# Allegro board EVK1_BM92T30-HOST-EVK-101_BRD_REV03_2016-02-26.brd (continued)
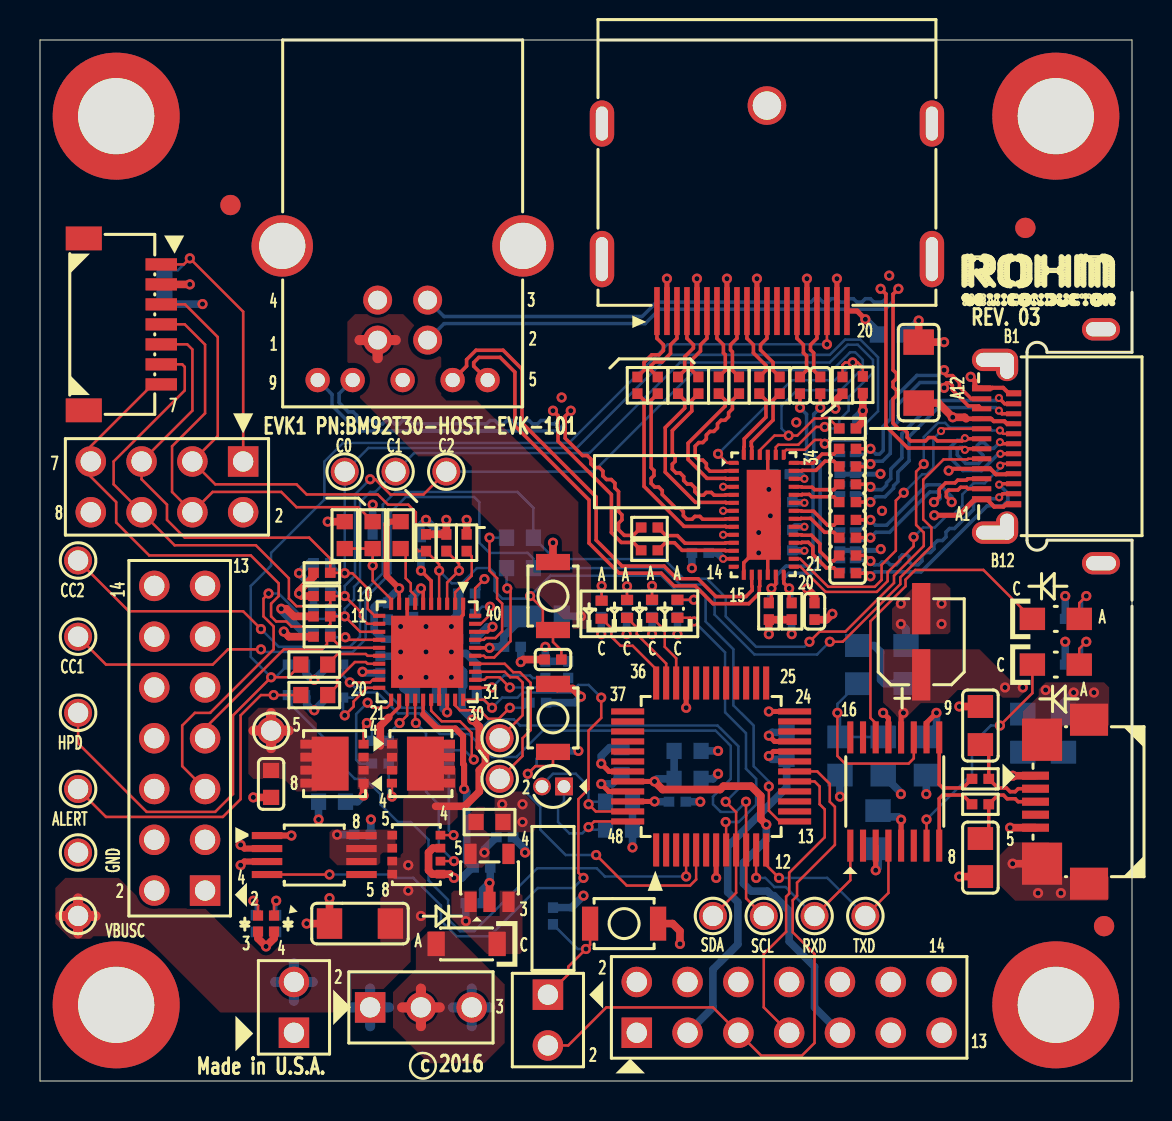
[diagram p0: board, top side]
## Nets (continued)
TX+: R63.1 U28.9(STDA_SSTX+)
TX-: R62.1 U28.8(STDA_SSTX-)
TXN-: R62.2 U24.12(TX-)
TXP+: R63.2 U24.11(TX+)
TYPEC_VBUS: C1.2 C5.2 C84.1 Q1.5(D1) Q1.6(D2) Q1.7(D3) Q1.8(D4) Q3.7(D3) Q3.8(D4) R1.2 TP10.1 U1.9(VB) U23.A4(VBUS4) U23.A9(VBUS2) U23.B4(VBUS1) U23.B9(VBUS3)
USB3_VBUS: C7.1 D1.1(ANODE) J1.3 R155.1 U1.28(VEX) U2.2(IN0) U2.3(IN1) U28.1(VBUS)
USB-PD_XRST: C14.2 EEPROM-IF.3 J12.3 R21.1 SW1.1 U1.4(XRST) U6.13(P44)
VEXT: J1.1 J2.2 R156.1
VPP: C31.2 J3.3 U6.20(VPP)
N002068: R4.1 U1.24(S1_DRV_G1)
N0020610: R5.1 U1.26(S1_DRV_G2)
N0020611: R2.1 U1.21(S2_DRV_G1)
N0020613: R3.1 U1.23(S2_DRV_G2)
N0020621: R1.1 U1.7(DSCHG)
N0020630: R31.1 U1.31(CSENSEN)
N1038629: C6.2 Q1.1(S1) Q1.2(S2) Q1.3(S3) Q2.1(S1) Q2.2(S2) Q2.3(S3) U1.22(S2_DRV_SRC)
N1038698: Q2.4(G) R3.2
N1040605: Q3.2(G) R4.2
N1040616: Q3.4(G) R5.2
N1041041: C8.2 Q3.1(S) Q3.3(S) U1.25(S1_DRV_SRC)
N1043525: C10.2 Q3.5(D3) Q3.6(D4) U2.6(OUT0) U2.7(OUT1) U2.8(OUT2)
N1043540: R14.2 U1.30(GPIO3/HSSWEN) U2.4(/EN)
N1043570: C12.2 Q2.5(D1) Q2.6(D2) Q2.7(D3) Q2.8(D4) TP2.1
N1044733: J5.5 R10.1 U1.14(DBGRSTCK)
N1044754: R11A.2 R11B.1 R26.1 U1.10(GPIO4/UPSCS)
N1045002: R22.1 U1.16(GPIO0/HPDOUT)
N1045014: R23.1 U1.17(GPIO1/ALERT#)
N1045813: R13.2 U1.29(GPIO2/BST_EN)
N1045859: J5.7 R18.2 U1.15(DBGMODDT)
N1045864: R19.2 R20.1 U1.3(IDSEL/ATST1)
N1046970: R37.1 U1.2(VSTR/ATST2)
N1049660: EEPROM-IF.4 J12.4 R26.2
N1054392: C17.2 U1.39(LDO28CAP)
N1054695: R32.1 U1.32(CSENSEP)
N1054899: C16.2 U1.40(LDO15ACAP)
N1054977: C18.2 U1.38(LDO15DCAP)
N1055987: TP0.1 U1.33(XCLPOFF1)
N1055996: TP1.1 U1.34(XCLPOFF2)
N1058749: R102.2 U1.35(CC1)
N1058753: R101.2 U1.37(CC2)
N1058804: C19.2 D1.2(CATHODE) U1.36(VCONN_IN)
N1061534: EEPROM-IF.1 J12.1 R12.1
N13959387: U24.14(A0)
N13959643: C93.2 R27.2 R28.2 U24.19(AUX+)
N13959647: C94.2 R29.2 R30.2 U24.20(AUX-)
N13960041: R50.2 R53.1 U24.1(MODE)
N13960387: C85.1 U24.34(RX2+)
N13960395: C86.1 U24.33(RX2-)
N13960433: C87.1 U24.31(TX2+)
N13960453: C88.1 U24.30(TX2-)
N13960469: C91.1 U24.25(RX1+)
N13960473: C90.1 U24.27(TX1-)
N13960481: C89.1 U24.28(TX1+)
N13960497: C92.1 U24.24(RX1-)
N13961019: U23.A8(SBU1) U24.22(SBU1)
N13961039: U23.B8(SBU2) U24.21(SBU2)
N13962061: C2.2 R40.1 U4.5(VOUT)
N13962097: D14.1(A1) R155.2
N13962101: D14.2(A2) R156.2
N13962195: C3.2 D2.C(CATHODE) U4.1(VIN) U4.3(STBY)
N13963383: C34.1 U6.47(XT0) X1.2
N13963387: C35.1 U6.48(XT1) X1.1
N13963581: D13.2(ANODE) R41.1
N13963633: D12.2(ANODE) R42.1
N13963657: D11.2(ANODE) R43.1
N13963717: D10.2(ANODE) R44.1
N13963729: D13.1(CATHODE) U6.34(P20/LED0)
N13963741: D11.1(CATHODE) U6.36(P22/LED2)
N13963753: D10.1(CATHODE) U6.8(P24/LED4)
N13963793: C36.2 U6.46(VDDX)
N13963807: D12.1(CATHODE) U6.35(P21/LED1)
N13964099: J3.5 J4.2 U6.18(RESET_N)
N13964103: J3.7 U6.17(TEST)
N13965463: LED3.A(ANODE) R46.1
N13965467: LED4.A(ANODE) R47.1
N13965575: C44.2 J11.2 R48.1
N13965599: C45.2 J11.3 R49.1
N13965631: C46.2 R25.2 R45.1 U5.11(RST)
N13965639: LED4.C(CATHODE) U5.7(CBUS2)
N13965663: LED3.C(CATHODE) U5.14(CBUS1)
N13965667: C43.2 FB1.2 J11.1
N13965855: R48.2 U5.9(USBDM)
N13965859: R49.2 U5.8(USBDP)
N13985004: C38.2 J4.1 SW3.1
N14119229: C37.2 SW2.1 U6.5(P02/EXI2)
N14121400: Q1.4(G) R2.2

Pads without a net: J3 11 13 14; J5 3 9 11 14; J11 4; J12 8; NOREF#40 1; NOREF#42 1; NOREF#73 1; NOREF#93 1; NOREF#94 1; NOREF#95 1; U2 5; U4 4; U5 2 6 15 16; U6 1 2 3 6 14 15 16 19 22 23 25 26 27 28 29 30 31 32 37 38 39 40 41 42; U25 6 7 9 10; U26 6 7 9 10; U27 13 14

## Via types
v1: diameter 0.508, hole 0.254, TOP to BOTTOM, 226 vias
v2: diameter 0.406, hole 0.203, TOP to BOTTOM, 19 vias

## Routing (per net, layer and track width the routed paths; a pad name or vN(x,y) marks a point on that pad's centre or on a via; arc(x,y) is an arc through that point)
3V3: length 7.5
  TOP w0.254: U5.3 v1(41.79,10.54) ; U5.10 44.33,17.92 v1(44.83,18.41)
  BOTTOM w0.381: R46.2 v1(51.27,24.26) ; v1(44.83,18.41) 44.83,17.72 C47.2 ; R47.2 v1(51.27,21.97) ; v1(41.79,10.54) 41.91,10.66 C42.2
GND: length 187.8
  TOP w0.178: v1(20.57,22.73) 21.16,23.32 U1.1 ; U1.27 19.96,20.81 v1(19.3,21.46) ; U1.8 18.36,23.06 v1(18.03,22.73) ; U24.37 36.4,29.64 v1(36.45,29.59) ; U24.18 36.4,26.29 36.27,26.42 v1(35.94,26.42) 35.69,26.42 35.2,25.92 U24.15
  TOP w0.203: U23.B1 48.44,34.4 48.17,34.68 47.63,34.68 47.6,34.65 U23.A12 ; U23.B12 48.31,28.85 48.18,28.72 47.72,28.72 47.34,29.1 U23.A1
  TOP w0.254: U27.5 v1(32.85,40.13) ; v1(28.07,14.86) 28.44,14.48 U6.45 ; U6.7 v1(33.81,10.16) ; U5.13 42.43,18.15 v1(42.16,18.41) ; U27.2 v1(31.35,40.13) ; v1(46.54,35.22) 46.75,35.01 46.75,34.78 46.88,34.65 U23.A12 ; U5.5 v1(43.06,13.07) ; U6.21 36.74,16.98 v1(36.45,17.27) ; U27.19 v1(39.85,40.13) ; U27.11 v1(35.85,40.13) ; U27.16 v1(38.35,40.13) ; U23.A1 46.75,29.1 45.95,28.3 v1(44.72,28.3) ; U27.8 v1(34.35,40.13) ; U6.33 v1(32.31,18.67)
  TOP w0.305: U2.1 v1(12.57,12.28)
  TOP w0.381: v1(24.04,20.95) 24.17,21.08 C14.1 ; R18.1 12.45,22.23 v1(12.19,22.48) ; C82.2 39.33,23.08 v1(39.62,23.37) ; D14.3 10.9,7.13 v1(11.3,6.73) 11.7,7.13 D14.4 ; v1(14.48,9.14) C1.1 v1(13.34,7.87) ; v1(43.94,38.04) C84.2 v1(45.21,36.96) ; SW1.2 v1(25.65,26.92) ; C12.1 v1(10.67,14.19) ; U4.2 v1(22.48,9.91) ; SW3.2 31.63,7.87 32,7.5 v1(32,6.86) ; C45.1 v1(45.97,10.22) ; J11.5 v1(48.51,12.67) ; v1(39.78,33.63) 39.78,34.02 R53.2 ; v1(27.05,19.23) 26.64,19.63 25.88,19.63 SW2.2 ; R30.1 R28.1 v1(36.45,22.35) ; J11.8 v1(48.64,10.87) ; C44.1 v1(45.97,18.73) ; EEPROM-IF.2 v1(7.49,39.85)
  L2_GND w0.508: 5.71,16.21 J5.8 ; J5.8 5.71,18.08 ; J5.8 4.78,17.14 ; J5.8 6.65,17.14 ; J5.6 5.71,15.54 ; J5.6 5.71,13.67 ; J5.6 4.78,14.61 ; J5.6 6.65,14.61 ; U28.7 18.92,35.06 ; U28.7 18.14,35.85 ; U28.7 17.35,35.06 ; U28.7 18.14,34.27 ; J5.2 5.71,10.46 ; J5.2 5.71,8.59 ; J5.2 4.78,9.53 ; J5.2 6.65,9.53 ; 42.55,4.01 J3.12 ; J3.12 43.48,4.95 ; J3.12 42.55,5.89 ; J3.12 41.61,4.95 ; 4.78,19.68 5.71,19.68 ; 5.71,19.68 5.71,18.75 ; 5.71,19.68 5.71,20.62 ; 5.71,19.68 6.65,19.68 ; U28.10 24.16,43.48 ; U28.10 24.16,40.06 ; U28.10 22.44,41.77 ; U28.10 25.87,41.77 ; 5.71,21.29 J5.12 ; J5.12 4.78,22.23 ; J5.12 5.71,23.16 ; J5.12 6.65,22.23 ; 12.12,40.06 U28.11 ; U28.11 13.83,41.77 ; U28.11 10.4,41.77 ; U28.11 12.12,43.48 ; 9.22,28.45 J12.2 ; J12.2 11.1,28.45 ; J12.2 10.16,29.39 ; J12.2 10.16,27.51 ; 11.76,2.41 J2.1 ; J2.1 12.7,3.35 ; J2.1 13.64,2.41 ; J2.1 12.7,1.47 ; 15.98,39.06 U28.4 ; U28.4 17.79,39.06 ; U28.4 16.89,39.96 ; J3.4 33.32,4.95 ; J3.4 31.45,4.95 ; J3.4 32.38,5.89 ; J3.4 32.38,4.01 ; 33.99,4.95 J3.6 ; J3.6 34.92,4.01 ; J3.6 34.92,5.89 ; J3.6 35.86,4.95 ; J3.10 40.01,5.89 ; J3.10 40.01,4.01 ; J3.10 39.07,4.95 ; J3.10 40.94,4.95 ; J3.8 38.4,4.95 ; J3.8 37.47,5.89 ; J3.8 37.47,4.01 ; J3.8 36.53,4.95 ; 1.91,10.55 TP15.1 ; TP15.1 1.91,12.31 ; TP15.1 2.78,11.43 ; TP15.1 1.03,11.43 ; 4.78,12.06 5.71,12.06 ; 5.71,12.06 5.71,11.13 ; 5.71,12.06 6.65,12.06 ; 5.71,12.06 5.71,13 ; 29.84,4.01 J3.2 ; J3.2 30.78,4.95 ; J3.2 28.91,4.95 ; J3.2 29.84,5.89
  BOTTOM w0.254: v1(42.03,30.37) 42.02,30.35 U25.3 U25.8 ; U26.8 U26.3 41.98,26.54 v1(42.04,26.6)
  BOTTOM w0.381: C79.2 36.66,29.81 v1(36.45,29.59) ; C38.1 26.58,8.67 v1(27.18,9.27) ; v1(43.05,14.35) 43.05,14.41 R25.1 ; v1(36.53,28.27) 36.79,28.54 C81.2 ; C33.1 33.66,15.11 v1(33.91,15.37) ; C6.1 v1(13.93,13.08) ; C3.1 22.14,9.56 v1(22.48,9.91) 22.52,9.94 C8.1 ; R19.1 20.03,27.34 v1(19.3,28.07) 19.05,27.81 C15.1 ; C41.1 43.31,22.61 v1(43.05,22.86) ; v1(18.03,22.73) 17.78,22.99 17.49,22.99 C5.1 ; R11A.1 v1(16.64,28.83) ; v1(36.45,17.27) 36.61,17.44 C31.1 ; C80.2 v1(32.6,25.65) ; C37.1 v1(26.92,16.51) ; v1(43.94,38.04) 43.24,37.34 C76.2 ; C9.2 19.14,22.73 v1(19.3,22.73) ; C36.1 v1(33.02,13.97) ; v1(51.69,19.43) 51.18,18.92 C43.1 ; v1(43.06,13.07) 42.93,13.21 42.23,13.21 C42.1 ; v1(29.63,11.68) C35.2 C34.2 ; R17A.1 R16A.1 13.59,24.77 v1(12.95,25.4) 13.46,25.91 R15A.1 ; v1(35.94,27.43) 36.66,27.43 C78.2 ; C18.1 20.78,22.1 20.57,21.89 v1(20.57,21.46) 20.65,21.39 21.31,21.39 21.84,20.85 R14.1 ; C83.2 36.66,26.42 v1(35.94,26.42) ; C47.1 v1(44.32,14.35) ; C46.1 v1(40.01,14.22) ; v1(39.62,23.37) 39.33,23.08 C82.2 ; C19.1 v1(24.04,20.95) ; v1(18.03,20.19) 18.16,20.07 18.16,19.65 C7.2 ; C30.1 28.61,14.86 v1(28.07,14.86) ; C10.1 v1(16.55,13.08) ; C2.1 24.26,11.6 v1(24.26,11.43) ; R13.1 26.75,18.92 v1(27.05,19.23) ; C11.1 17.82,21.25 v1(18.03,21.46) ; C32.1 v1(33.91,16.51) ; v1(20.57,22.73) 20.57,23.03 C17.1 C16.1
  vias: v1(19.3,20.19) v1(20.57,20.19) v1(26.09,34.19) v1(37.82,32.94) v1(42.11,28.52) v1(42.47,40.28) v1(43.05,23.88) v1(45.09,23.88) v1(45.09,22.86) v1(49.91,9.4) v1(50.29,19.56) v1(51.05,9.4) v1(52.7,19.43)
V3P3: length 51.6
  TOP w0.178: U24.4 v2(34.16,29.72) ; v1(19.05,24.64) 19.16,24.53 U1.6 ; U24.26 v2(38.23,27.72) ; U24.13 v2(34.16,26.12) ; U24.29 v2(38.23,28.92) ; U24.7 v2(34.16,28.52) ; U24.23 v2(38.23,26.52) ; U24.10 v2(34.16,27.32) ; U1.18 v1(16.13,20.47) ; U24.32 v2(38.23,30.12)
  TOP w0.254: U6.43 28.46,15.48 v1(28.07,15.88) ; U6.24 v1(36.45,18.48) ; U27.20 40.87,38.51 v1(41.27,38.1)
  TOP w0.381: R51.1 41.15,32.98 v1(41.15,33.53) R50.1 ; R11B.2 v1(14.39,27.98) ; R17B.2 12.7,23.24 12.32,23.62 v1(12.06,23.62) ; C82.1 38.73,24.26 v1(38.35,24.64) ; R16B.2 13.08,24.26 v1(12.95,24.38) 12.95,24.5 13.68,25.23 R15B.2
  L3_PWR w0.508: 8.26,23.83 J5.13 ; J5.13 8.26,25.7 ; J5.13 7.32,24.77 ; J5.13 9.19,24.77 ; 28.91,2.41 J3.1 ; J3.1 30.78,2.41 ; J3.1 29.84,1.47 ; J3.1 29.84,3.35 ; J5.1 8.26,10.46 ; J5.1 7.32,9.53 ; J5.1 8.26,8.59 ; J5.1 9.19,9.53
  BOTTOM w0.381: v2(38.23,27.72) 37.79,27.72 C78.1 ; C83.1 37.65,26.52 v2(38.23,26.52) ; R9.2 13.34,19.22 13.34,18.85 13.64,18.54 v1(13.72,18.54) 14.31,19.14 R6.2 ; v1(16.13,20.47) 16.19,20.41 C11.2 ; v1(28.07,15.88) 28.07,16.26 28.49,16.68 C30.2 ; v1(12.06,23.62) 12.06,23.54 13.13,22.48 R10.2 ; R43.2 v1(28.07,22.35) ; R8.2 13.31,20.76 13.31,20.37 13.61,20.07 v1(13.72,20.07) 14.31,20.66 R7.2 ; v1(19.05,24.64) 18.67,24.26 C9.1 ; v1(8.13,38.86) 6.57,38.86 R12.2 ; v1(41.27,38.1) 41.87,37.5 C76.1 ; R41.2 v1(30.61,22.35) ; C82.1 38.73,24.26 v1(38.35,24.64) ; v1(41.15,33.53) 40.81,33.19 R51.1 ; C79.1 37.99,30.35 v2(38.23,30.12) ; C80.1 33.87,26.42 v2(34.16,26.12) ; C81.1 37.67,28.92 v2(38.23,28.92) ; R27.1 R29.1 v1(37.59,22.35) ; R42.2 v1(29.34,22.35) ; R44.2 v1(31.88,22.35)
  vias: v1(23.11,13.84) v1(24.13,13.84) v1(24.13,12.95)
VCCIN: length 7.1
  TOP w0.178: U1.5 19.56,25.02 v1(19.05,25.53)
  TOP w0.381: R37.2 v1(21.34,28.07) ; v1(20.32,28.07) R20.2 R21.2
  BOTTOM w0.381: v1(25.27,21.72) R31.2 R32.2 ; C15.2 v1(19.05,25.53)
VDDL: length 24.5
  TOP w0.254: U6.44 v1(30.73,14.98)
  TOP w0.381: v1(30.73,14.98) 31.13,14.58 34.01,14.58 34.18,14.75 35.56,14.75 36.04,14.26 36.04,13.1 v1(36.32,12.83)
  BOTTOM w0.381: C32.2 C33.2 30.86,15.11 v1(30.73,14.98) ; v1(36.32,12.83) 36.32,12.06 35.18,10.92 35.18,9.88 35.56,9.5 36.37,9.5 36.6,9.27 36.7,9.27 37.47,8.51 37.47,6.99 38.73,5.71 38.73,3.68 J3.9
VIN: length 3.8
  TOP w0.508: 18.11,3.68 J1.2 ; J1.2 19.05,2.74 ; J1.2 19.05,4.62 ; J1.2 19.99,3.68
482_ALERT#: length 47.6
  TOP w0.127: TP14.1 3.3,13.21 9.14,13.21 10.03,14.1 10.03,18.29 11.05,19.3 v1(11.68,19.3) R23.2 ; U6.4 v1(32.31,10.23)
  BOTTOM w0.127: v1(32.31,10.23) 28.25,10.23 27.84,10.64 24.87,10.64 21.72,7.49 21.01,7.49 20.41,8.09 20.41,9.06 19.43,10.03 19.43,12.06 18.54,12.95 17.91,12.95 17.02,13.84 17.02,14.35 16.26,15.11 15.75,15.11 14.16,16.7 14.16,17.21 12.57,18.8 12.57,19.14 R9.1 v1(11.68,19.3)
482_RXD: length 9.4
  TOP w0.127: TP5.1 40.52,10.04 U5.1 ; U6.11 v1(35.81,10.16)
  BOTTOM w0.127: v1(35.81,10.16) 36.27,10.16 36.73,9.7 37.29,9.7 TP5.1
482_SCL: length 36.5
  TOP w0.127: v1(15.24,18.29) 15.68,18.73 15.68,18.99 16.37,19.67 U1.20 ; TP4.1 35.31,9.14 U6.10 35.31,13.28 35.31,13.29 v1(35.31,13.97)
  BOTTOM w0.127: v1(35.31,13.97) 34.8,13.46 34.04,13.46 33.66,13.84 33.66,14.22 34.54,15.11 34.54,16.76 33.78,17.53 25.15,17.53 23.83,16.21 22.6,16.21 21.45,17.36 19.99,17.36 18.96,18.39 17.91,18.39 16.87,19.43 15.88,19.43 15.62,19.18 R6.1 15.15,18.38 v1(15.24,18.29)
482_SDA: length 33.1
  TOP w0.127: TP3.1 34.81,9.41 U6.9 34.81,13.45 v1(34.29,13.97) ; U1.19 16.64,20.07 16.51,19.94 v1(15.49,19.94)
  BOTTOM w0.127: R7.1 15.15,20.28 v1(15.49,19.94) 15.75,19.68 17.09,19.68 18.11,18.67 19.07,18.67 20.13,17.61 22.05,17.61 22.53,18.09 23.7,18.09 24,17.78 33.89,17.78 34.92,16.74 34.92,14.61 v1(34.29,13.97)
482_TXD: length 10.8
  TOP w0.127: U5.4 42.43,9.41 TP6.1 ; v1(36.96,10.16) 36.31,10.8 U6.12
  BOTTOM w0.127: TP6.1 39.37,10.16 v1(36.96,10.16)
AUX+: length 3.6
  TOP w0.178: U27.15 37.85,37.15 38.18,36.82 38.18,36.43 38.34,36.27 38.34,35.55 C93.1
AUX-: length 3.6
  TOP w0.178: C94.1 38.69,35.55 38.69,36.42 38.53,36.58 38.53,36.82 38.85,37.15 U27.17
CC1: length 64.4
  TOP w0.127: v1(39.5,21.97) 40.14,21.97 43.02,24.85 43.02,25.19 44.58,26.74 44.58,27.69 44.17,28.09 44.17,30.07 45.19,31.09 46.38,31.09 46.42,31.12 U23.A5 ; v1(11.05,21.59) 9.4,21.59 8.64,20.83 3.3,20.83 TP11.1
  BOTTOM w0.127: v1(39.5,21.97) 38.86,21.34 35.73,21.34 33.74,23.33 33.74,24.28 33.19,24.84 32.01,24.84 31.19,25.65 R102.1 24.68,26.12 24.38,26.42 22.48,26.42 21.97,26.92 21.97,28.96 21.72,29.21 18.29,29.21 17.53,28.45 17.53,25.4 16.28,24.16 16.28,22.1 15.64,21.46 11.18,21.46 v1(11.05,21.59)
CC2: length 68.2
  TOP w0.127: v2(48.01,32.54) 48.17,32.37 U23.B5 ; v1(38.48,21.97) 38.99,22.48 40.28,22.48 42.71,24.91 42.71,25.27 44.2,26.76 44.2,27.43 43.81,27.81 43.81,30.48 v1(44.2,30.86) ; TP12.1 4.45,23.5 10.16,23.5 v1(11.05,22.61)
  BOTTOM w0.127: v1(44.2,30.86) 44.2,32.21 44.91,32.92 45.26,32.92 45.49,32.69 47.46,32.69 47.61,32.54 v2(48.01,32.54) ; v1(11.05,22.61) 11.94,21.72 15.49,21.72 16,22.23 16,24.26 17.14,25.4 17.14,28.83 17.78,29.46 23.88,29.46 24.68,28.66 R101.1 25.75,26.1 31.21,26.1 32.19,25.12 33.36,25.12 34.29,24.19 34.29,23.24 35.81,21.72 38.23,21.72 v1(38.48,21.97)
CONF0: length 70
  TOP w0.127: EEPROM-IF.5 7.37,36.85 7.62,36.59 7.62,33.53 J12.5 5.08,30.1 6.35,28.83 6.35,28.07 7.24,27.18 13.46,27.18 14.52,26.12 R15B.1 15.22,25.42 v1(15.24,25.4) 15.62,25.4 16.38,24.64 16.38,23.62 16.74,23.27 U1.11 ; U24.35 37.19,31.45 37.32,31.57 38.25,31.57 38.75,32.06 39.06,32.06 v1(39.24,31.88)
  BOTTOM w0.127: R15A.2 15.02,25.4 v1(15.24,25.4) TP7.1 16.42,31.66 26.84,31.66 31.5,36.32 39.5,36.32 40.26,37.08 41.02,37.08 41.91,36.2 41.91,33.5 41.33,32.93 41.33,32.37 41,32.03 39.4,32.03 v1(39.24,31.88)
CONF1: length 71
  TOP w0.127: EEPROM-IF.7 5.64,34.85 2.54,31.75 J12.7 2.54,30.23 3.81,28.96 3.81,27.94 5.46,26.29 10.54,26.29 11.94,24.89 11.94,24.26 11.56,23.88 11.56,23.24 11.81,22.99 12.32,22.99 12.57,22.73 14.39,22.73 14.52,22.86 R17B.1 v1(15.24,23.24) 16.01,22.47 U1.13 ; U24.36 36.79,31.7 36.92,31.83 37.92,31.83 38.81,32.72 v1(39.24,32.72)
  BOTTOM w0.127: R17A.2 14.9,23.24 v1(15.24,23.24) 15.24,23.62 15.71,24.09 15.71,24.72 16.01,25.02 16.01,28.96 16.51,29.46 16.76,29.46 TP9.1 18.71,31.41 27.47,31.41 32,35.94 39.5,35.94 40.39,36.83 40.89,36.83 41.66,36.07 41.66,35.43 40.44,34.21 40.44,33.53 39.97,33.06 R52.2 39.32,32.64 v1(39.24,32.72)
CONF2: length 73.5
  TOP w0.127: R51.2 39.95,32.64 39.43,33.16 39.09,33.16 39.06,33.14 38.73,33.14 37.87,32.28 v1(37.44,32.28) 36.73,32.28 35.99,31.55 U24.38 ; U1.12 16.37,22.87 16,23.24 16,23.5 v1(15.24,24.26) R16B.1 14.52,23.88 14.39,23.75 12.83,23.75 12.45,24.13 12.45,25.15 10.79,26.8 6.73,26.8 J12.6 3.68,29.84 3.68,30.99 7.24,34.54 7.24,35.72 7.11,35.85 EEPROM-IF.6 ; TP8.1 19.18,29.34 17.53,29.34 16.76,30.1 v1(16.51,30.1)
  BOTTOM w0.127: v1(16.51,30.1) 15.75,29.34 15.75,25.28 15.24,24.77 v1(15.24,24.26) 15.02,24.26 R16A.2 ; v1(37.44,32.28) 37.08,32.64 37.08,33.78 37.86,34.55 40.05,34.55 41.15,35.65 41.15,36.07 40.77,36.45 40.51,36.45 39.62,35.56 32.77,35.56 27.69,30.48 TP8.1
D0+: length 3.8
  TOP w0.178: R54.1 36.66,35.55 36.66,35.94 36.03,36.57 36.03,36.82 36.35,37.15 U27.12
D0-: length 3.8
  TOP w0.178: R55.1 36.3,35.55 36.3,35.79 35.68,36.42 35.68,36.82 35.35,37.15 U27.10
D0N-: length 3.7
  TOP w0.178: U24.40 35.2,31.7 35.22,31.73 35.22,32.12 36.3,33.2 36.3,34.05 R55.2
D0P+: length 3.7
  TOP w0.178: R54.2 36.66,34.05 36.66,33.06 35.57,31.97 35.57,31.75 35.6,31.73 U24.39
D1+: length 3.6
  TOP w0.178: R56.1 34.63,35.55 34.63,36.47 34.53,36.57 34.53,36.82 34.85,37.15 U27.9
D1-: length 3.6
  TOP w0.178: U27.7 33.85,37.15 34.18,36.82 34.18,36.42 34.27,36.32 34.27,35.55 R57.1
D1N-: length 6.9
  TOP w0.178: U24.3 34.31,30.12 34.29,30.14 33.36,30.14 32.41,31.09 32.41,31.9 34.27,33.76 34.27,34.05 R57.2
D1P+: length 6.8
  TOP w0.178: R56.2 34.63,34.05 34.63,33.62 34.44,33.43 34.44,33.23 34.26,33.05 34.06,33.05 33.88,32.87 33.88,32.67 33.7,32.49 33.5,32.49 33.32,32.31 33.32,32.11 33.14,31.93 32.95,31.93 32.77,31.76 32.77,31.24 32.95,31.06 33.14,31.06 33.32,30.88 33.32,30.68 33.5,30.5 34.27,30.5 34.29,30.52 U24.2
D2+: length 3.7
  TOP w0.178: U27.6 33.35,37.15 33.03,36.82 33.03,36.51 32.59,36.08 32.59,35.55 R58.1
D2-: length 3.7
  TOP w0.178: R59.1 32.24,35.55 32.24,36.22 32.68,36.66 32.68,36.82 32.35,37.15 U27.4
D2N-: length 8.5
  TOP w0.178: R59.2 32.24,34.05 32.24,33.66 31.27,32.68 31.27,30.45 32.78,28.94 34.29,28.94 34.31,28.92 U24.6
D2P+: length 8.4
  TOP w0.178: U24.5 34.29,29.32 34.27,29.3 33.71,29.3 33.57,29.44 33.32,29.44 33.18,29.3 32.93,29.3 32.75,29.48 32.75,29.68 32.57,29.86 32.37,29.86 32.19,30.04 32.19,30.23 32.01,30.41 31.81,30.41 31.62,30.6 31.62,30.86 31.76,31 31.76,31.25 31.62,31.39 31.62,32.54 32.59,33.51 32.59,34.05 R58.2
D3+: length 4.2
  TOP w0.178: U27.3 31.85,37.15 31.53,36.82 31.53,36.39 31.11,35.97 30.74,35.97 30.56,35.79 30.56,35.55 R60.1
D3-: length 4.2
  TOP w0.178: R61.1 30.21,35.55 30.21,35.94 30.59,36.32 30.96,36.32 31.18,36.54 31.18,36.82 30.85,37.15 U27.1
D3N-: length 10.1
  TOP w0.178: U24.9 34.31,27.72 34.29,27.74 32.21,27.74 30.21,29.74 30.21,34.05 R61.2
D3P+: length 10
  TOP w0.178: R60.2 30.56,34.05 30.56,30.68 30.7,30.54 30.7,30.28 30.56,30.14 30.56,29.89 30.74,29.71 30.94,29.71 31.12,29.53 31.12,29.33 31.8,28.66 31.99,28.66 32.17,28.48 32.17,28.28 32.35,28.1 32.61,28.1 32.75,28.24 33,28.24 33.14,28.1 34.27,28.1 34.29,28.12 34.7,28.12
D+: length 42.3
  TOP w0.178: v1(42.04,39.62) 42.05,39.62 42.3,39.37 42.3,32.75 43.4,31.66 46.16,31.66 v2(46.25,31.57) 46.31,31.62 U23.A6 ; v2(48.01,31.95) 48.09,31.87 U23.B6
  BOTTOM w0.178: U28.3 20.21,38.24 30.11,38.24 30.83,38.96 38.56,38.96 38.73,39.13 38.98,39.13 39.15,38.96 39.41,38.96 39.58,39.13 39.83,39.13 40,38.96 40.26,38.96 40.43,39.13 40.68,39.13 40.85,38.96 41.1,38.96 41.27,39.13 41.53,39.13 41.7,38.96 42.13,38.96 42.3,39.14 42.3,39.36 v1(42.04,39.62) ; v2(46.25,31.57) 46.13,31.69 46.01,31.69 45.87,31.55 45.87,31.31 46.3,30.89 46.94,30.89 47.16,31.1 47.16,31.3 46.87,31.58 46.87,31.78 47.01,31.93 47.21,31.93 47.5,31.64 47.7,31.64 v2(48.01,31.95)
D-: length 42.3
  TOP w0.178: v2(48.03,31.37) 48.03,31.37 U23.B7 ; v1(42.93,39.62) 42.66,39.36 42.66,35.56 42.83,35.39 42.83,35.14 42.66,34.97 42.66,34.71 42.83,34.54 42.83,34.29 42.66,34.12 42.66,32.9 42.95,32.61 43.19,32.61 43.37,32.43 43.37,32.19 43.55,32.01 44.28,32.01 44.45,32.18 44.7,32.18 44.87,32.01 46.12,32.01 v2(46.25,32.15) 46.28,32.12 U23.A7
  BOTTOM w0.178: v2(48.03,31.37) 47.92,31.37 47.09,30.53 46.15,30.53 45.52,31.17 45.52,31.7 45.87,32.05 46.15,32.05 v2(46.25,32.15) ; U28.2 20.21,37.88 30.26,37.88 30.98,38.6 42.27,38.6 42.66,38.99 42.66,39.36 v1(42.93,39.62)
DEBUG_VBUS_5V: length 5.1
  TOP w0.254: U5.12 43.06,18.28
  BOTTOM w0.381: R45.2 41.72,21.78 42.04,21.46 42.04,20.07 42.23,19.88 C41.2
  vias: v1(43.18,18.41) v1(48.26,19.68) v1(49.15,19.68)
HPDOUT: length 62.5
  TOP w0.127: R22.2 12.41,20.19 v1(11.56,20.19) 9.65,18.29 9.65,14.35 8.76,13.46 5.33,13.46 1.91,16.89 TP13.1 ; U27.18 v1(39.35,36.85)
  BOTTOM w0.127: v1(39.35,36.85) 31.39,36.85 26.46,31.92 15.15,31.92 14.22,30.99 14.22,29.08 11.56,26.42 11.56,25.78 10.54,24.77 10.54,21.21 v1(11.56,20.19) 11.77,20.19 R8.1
RX1+: length 11.7
  TOP w0.178: v1(41.53,26.01) 41.25,26.29 C91.2 ; v2(47.97,29.19) 48.15,29.37 U23.B11
  BOTTOM w0.178: v2(47.97,29.19) 47.9,29.13 47.22,29.13 47.15,29.06 46.84,29.06 46.69,28.91 46.69,28.59 45.73,27.64 45.49,27.64 45.31,27.46 45.31,27.21 45.13,27.03 44.89,27.03 44.71,26.85 44.71,26.61 44.53,26.43 44.28,26.43 44.1,26.25 44.1,26.01 43.91,25.82 43.61,25.82 43.48,25.95 43.48,26.21 43.37,26.31 43.12,26.31 42.99,26.19 42.99,25.99 42.82,25.82 42.52,25.82 42.38,25.96 42.11,25.96 41.97,25.82 41.72,25.82 v1(41.53,26.01) 41.49,26.04 U26.4
RX1-: length 11.8
  TOP w0.178: v2(47.97,29.83) 48.01,29.87 U23.B10 ; C92.2 41.37,25.4 v1(41.53,25.25)
  BOTTOM w0.178: U26.5 41.23,25.54 v1(41.53,25.25) 41.75,25.46 44.06,25.46 47.37,28.77 48.15,28.77 48.4,29.02 48.4,29.39 v2(47.97,29.83)
RX2+: length 11
  TOP w0.178: U23.A11 46.57,34.12 45.98,34.71 45.98,34.94 45.64,35.28 45.34,35.28 45.21,35.41 v1(45.21,35.56) ; C85.2 v1(41.53,31.62)
  BOTTOM w0.178: U25.1 41.26,31.35 v1(41.53,31.62) 41.8,31.36 41.98,31.36 42.17,31.54 42.17,32.74 42.55,33.12 42.55,33.98 43.86,35.29 44.95,35.29 v1(45.21,35.56)
RX2-: length 11
  TOP w0.178: v1(41.53,30.86) 41.4,30.73 C86.2 ; U23.A10 46.95,33.77 46.42,33.77 45.63,34.57 45.63,34.79 45.49,34.92 45.34,34.92 45.21,34.8 v1(45.21,34.67)
  BOTTOM w0.178: U25.2 41.52,30.85 v1(41.53,30.86) 41.67,31 42.13,31 42.52,31.39 42.52,32.6 42.9,32.97 42.9,33.84 44,34.94 44.95,34.94 v1(45.21,34.67)
RX+: length 24.6
  TOP w0.178: U28.6 21.33,35.76 21.33,36.08 21.8,36.55 23.16,36.55 24.1,35.61 24.1,32.92 27.81,29.21 27.81,27.05 29.11,25.76 31.22,25.76 31.85,25.12 32.91,25.12 33.8,24.23 35.3,24.23 35.62,24.55 35.62,24.73 35.6,24.75 U24.16
RX-: length 24.6
  TOP w0.178: U24.17 35.99,24.75 35.97,24.73 35.97,24.4 35.45,23.88 33.66,23.88 32.77,24.77 31.7,24.77 31.07,25.4 28.96,25.4 27.46,26.9 27.46,29.06 23.75,32.77 23.75,35.46 23.01,36.2 21.95,36.2 21.69,35.94 21.69,35.76 U28.5
TX1+: length 9.7
  TOP w0.178: v1(45.59,28.96) 45.33,29.22 45.33,29.45 45.44,29.56 45.9,29.56 46.04,29.7 46.34,29.7 46.41,29.62 U23.A2 ; C89.2 v1(41.53,28.07)
  BOTTOM w0.178: U26.1 41,27.54 v1(41.53,28.07) 41.53,28.05 41.78,27.8 42.34,27.8 44.36,29.82 45.01,29.82 45.59,29.23 v1(45.59,28.96)
TX1-: length 9.7
  TOP w0.178: v1(44.7,28.96) 44.97,29.22 44.97,29.6 45.29,29.92 45.76,29.92 45.89,30.05 46.33,30.05 46.4,30.12 U23.A3 ; C90.2 v1(41.53,27.18)
  BOTTOM w0.178: U26.2 41.39,27.04 v1(41.53,27.18) 41.8,27.44 42.48,27.44 44.5,29.46 44.86,29.46 45.01,29.31 45.01,29.13 44.83,28.96 v1(44.7,28.96)
TX2+: length 11.9
  TOP w0.178: C87.2 41.4,29.84 v1(41.53,29.72) ; U23.B2 48.24,33.87 v2(47.96,34.16)
  BOTTOM w0.178: v2(47.96,34.16) 47.83,34.04 44.76,34.04 43.1,32.38 43.1,31.17 42.55,30.61 42.55,30.13 42.33,29.92 42.33,29.81 42.11,29.58 41.67,29.58 v1(41.53,29.72) 41.39,29.85 U25.4
TX2-: length 11.9
  TOP w0.178: v2(47.96,33.53) 48.11,33.37 U23.B3 ; C88.2 v1(41.53,28.96)
  BOTTOM w0.178: U25.5 41.13,29.35 v1(41.53,28.96) 41.8,29.22 42.25,29.22 42.69,29.66 42.69,29.77 42.9,29.98 42.9,30.46 43.46,31.02 43.46,32.23 44.91,33.68 47.8,33.68 v2(47.96,33.53)
TX+: length 23.8
  TOP w0.178: R63.1 29.67,27.29 29.22,27.29 28.93,27.58 28.93,27.9 29.1,28.07 29.1,28.32 28.93,28.49 28.93,29.48 28.75,29.66 28.75,29.9 28.57,30.08 28.33,30.08 28.15,30.26 28.15,30.51 27.97,30.68 27.73,30.68 27.55,30.86 27.55,31.11 27.37,31.29 27.13,31.29 26.26,32.15 26.26,33.25 v1(26.54,33.53)
  BOTTOM w0.178: U28.9 14.61,34.34 14.61,33.78 15.88,32.51 25.88,32.51 26.26,32.9 26.26,33.25 v1(26.54,33.53)
TX-: length 23.7
  TOP w0.178: R62.1 29.67,26.94 29.07,26.94 28.57,27.43 28.57,29.34 25.91,32 25.91,33.27 v1(25.65,33.53)
  BOTTOM w0.178: U28.8 14.96,34.38 14.96,33.93 15.42,33.47 15.66,33.47 15.84,33.29 15.84,33.05 16.02,32.87 16.28,32.87 16.45,33.04 16.7,33.04 16.87,32.87 17.13,32.87 17.3,33.04 17.55,33.04 17.72,32.87 17.97,32.87 18.14,33.04 18.4,33.04 18.57,32.87 22.33,32.87 22.51,33.04 22.76,33.04 22.93,32.87 23.18,32.87 23.35,33.04 23.61,33.04 23.78,32.87 24.03,32.87 24.2,33.04 24.46,33.04 24.63,32.87 24.88,32.87 25.05,33.04 25.31,33.04 25.48,32.87 25.73,32.87 25.91,33.05 25.91,33.27 v1(25.65,33.53)
TXN-: length 4.1
  TOP w0.178: U24.12 34.29,26.52 34.27,26.54 32.11,26.54 31.73,26.92 31.28,26.92 R62.2
TXP+: length 4.1
  TOP w0.178: U24.11 34.29,26.92 34.27,26.9 32.26,26.9 31.88,27.28 31.31,27.28 R63.2
TYPEC_VBUS: length 34.7
  TOP w0.178: U1.9 v1(17.96,24.64)
  TOP w0.203: U23.B4 48.36,32.87 48.23,33 47.7,33 47.57,33.12 U23.A9 ; v1(45.44,30.53) 45.53,30.62 U23.A4 47.52,30.62 47.8,30.35 48.3,30.35 48.33,30.37 U23.B9
  TOP w0.229: U23.A9 46.31,33.12
  TOP w0.305: v1(17.96,24.64) 17.33,25.27 17.33,27.85 17.46,27.98 R1.2
  TOP w0.381: C84.1 44.93,33.91 v1(45.64,33.2) 46.24,33.2 46.31,33.12 ; v1(21.62,18.08) 21.97,17.73 21.97,16.69 22.28,16.38 22.28,15.85 21.97,15.54 21.97,14.48 21.23,13.74 19.79,13.74
  TOP w0.508: 1.03,8.26 TP10.1 ; TP10.1 2.78,8.26 ; TP10.1 1.91,9.13 ; TP10.1 1.91,7.38
  BOTTOM w0.381: v1(21.62,18.08) 21.11,18.6 21.11,19.68 21.18,19.76 21.18,20.47 20.83,20.83 19.08,20.83 18.67,21.23 18.67,21.72 18.29,22.1 17.14,22.1 16.71,22.53 16.71,23.7 16.93,23.91 C5.2 17.4,24.08 v1(17.96,24.64)
  vias: v1(18.41,10.79) v1(18.41,9.53) v1(19.05,8.26)
USB3_VBUS: length 14.6
  TOP w0.178: U1.28 v1(20.36,18.44)
  TOP w0.305: U2.3 10.22,10.98 v1(10.03,10.79) ; U2.2 10.22,11.63 v1(10.03,11.81)
  TOP w0.508: 15.98,37.06 U28.1 ; U28.1 16.89,36.16 ; U28.1 17.79,37.06
  BOTTOM w0.381: C7.1 20.17,19.11 20.17,18.62 20.36,18.42 v1(20.36,18.44) ; D1.1 v1(27.05,23.24)
  BOTTOM w0.508: 20.65,3.68 J1.3 ; J1.3 22.53,3.68 ; J1.3 21.59,4.62 ; J1.3 21.59,2.74 ; U28.1 17.79,37.06 ; U28.1 16.89,36.16 ; U28.1 15.98,37.06
USB-PD_XRST: length 61.2
  TOP w0.127: EEPROM-IF.3 7.26,38.85 8.89,37.21 8.89,32.26 J12.3 8.76,29.84 12.83,29.84 13.34,29.34 16.89,29.34 17.4,28.83 18.41,28.83 18.8,28.45 18.8,26.63 18.92,26.5 R21.1 19.96,25.85 v1(19.96,25.53) U1.4 ; v1(36.45,14.73) 36.45,13.52 36.99,12.98 U6.13 ; C14.2 26.07,21.54 25.65,21.96 SW1.1 25.45,22.56 25.15,22.86 25.15,23.62 v1(24.51,24.26)
  BOTTOM w0.127: v1(19.96,25.53) 20.6,24.89 21.08,24.89 21.84,25.65 22.48,25.65 22.73,25.4 22.73,24.51 23.11,24.13 24.38,24.13 v1(24.51,24.26) 25.53,25.27 31.07,25.27 31.78,24.57 32.99,24.57 33.29,24.28 33.29,22.98 34.67,21.59 34.67,18.79 35.69,17.78 35.69,15.75 36.45,14.99 v1(36.45,14.73)
VEXT: length 7.5
  BOTTOM w0.508: J2.2 12.7,5.89 ; J2.2 12.7,4.01 ; J2.2 13.64,4.95 ; J2.2 11.76,4.95 ; J1.1 17.45,3.68 ; J1.1 15.57,3.68 ; J1.1 16.51,2.74 ; J1.1 16.51,4.62
VPP: length 18.5
  TOP w0.254: v1(36.45,16.26) 36.68,16.48 U6.20
  BOTTOM w0.381: v1(36.45,16.26) 36.61,16.09 C31.2 37.34,14.68 34.39,11.73 34.39,9.45 34.9,8.94 34.9,6.83 33.66,5.59 33.66,3.68 J3.3
N002068: length 2.7
  TOP w0.127: v1(18.8,17.91) 18.76,17.94 U1.24
  BOTTOM w0.127: R4.1 19.3,17.4 v1(18.8,17.91)
N0020610: length 5.8
  TOP w0.127: v1(21.69,16.08) 21.59,16.18 21.59,17.41 21,17.99 20.09,17.99 19.56,18.52 U1.26
  BOTTOM w0.127: R5.1 21.22,16.55 v1(21.69,16.08)
N0020611: length 5.5
  TOP w0.127: U1.21 17.56,18.88 17.35,18.67 16.64,18.67 v1(16.38,18.92)
  BOTTOM w0.127: R2.1 16,15.88 15.81,16.07 15.81,18.35 v1(16.38,18.92)
N0020613: length 2.4
  TOP w0.127: U1.23 18.36,18.28 v1(17.98,17.91)
  BOTTOM w0.127: R3.1 17.44,17.36 v1(17.98,17.91)
N0020621: length 3.1
  TOP w0.127: R1.1 18.29,26.38 18.29,25.15 18.54,24.89 18.54,24.5 18.76,24.28 U1.7
N0020630: length 3.8
  TOP w0.127: v1(22.61,19.68) 22.59,19.67 U1.31
  BOTTOM w0.127: R31.1 24.64,20.15 24.51,20.28 23.2,20.28 v1(22.61,19.68)
N1038629: length 4.3
  TOP w0.178: U1.22 17.96,18.71 17.44,18.19
  TOP w0.381: 17.02,16.76 17.02,17.76 17.44,18.19 ; Q2.1 v1(16.18,14.28)
  BOTTOM w0.381: C6.2 15.88,13.97 v1(16.18,14.28)
N1038698: length 2.1
  TOP w0.127: Q2.4 16.18,17.74 v1(16.34,17.91)
  BOTTOM w0.127: R3.2 16.6,17.65 v1(16.34,17.91)
